# Altium PCB Copy of cam_5nd_v1.3.PcbDoc (part 2 of 2) (continued)
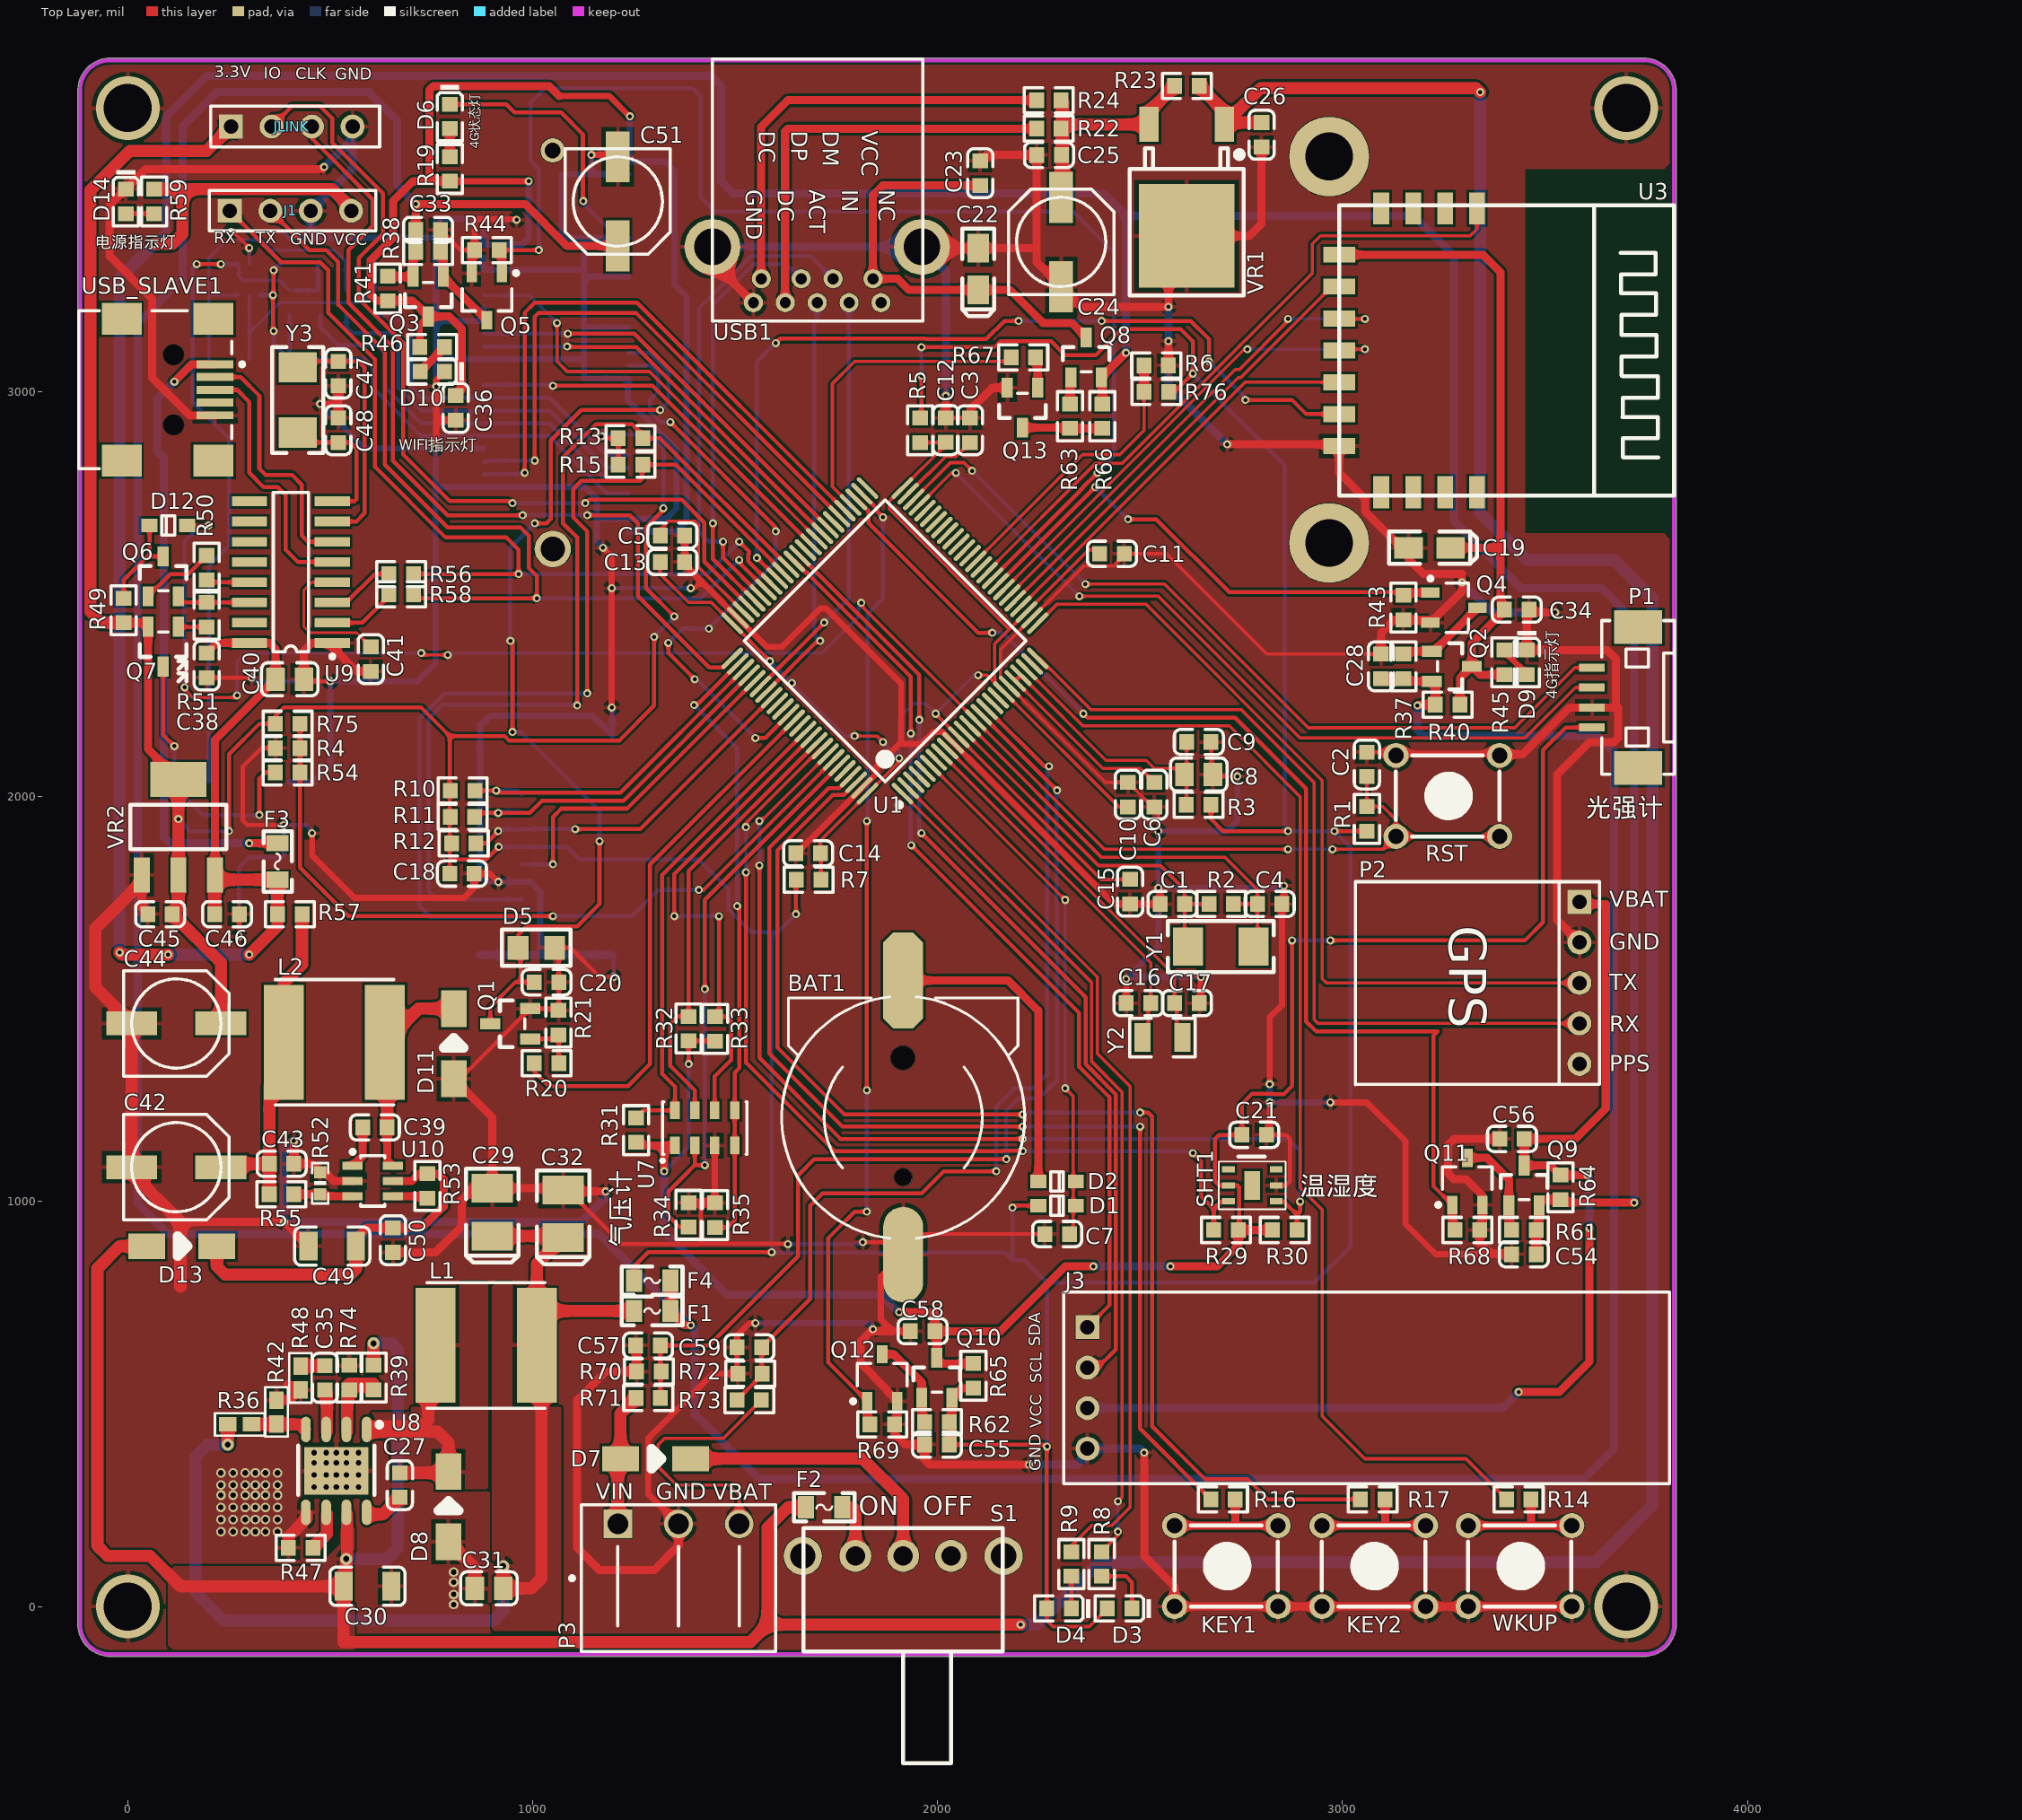
[diagram p0: Top Layer view]
## Nets (pads, with @x,y where several pads share a name; then routed paths per layer and width w, separated by ;. In a path a pad name is that pad's centre, name@x,y a point inside that pad or via, vN(x,y) a via of type N, cw(c..) or ccw(c..) an arc to the next point about the centre after c; other vN are vias at no path point) (continued)
  Top Layer w20: R38.1@771.89,3345 779.29,3337.6 Q3.1@779.29,3284.21 886.57,3176.93 Q5.3@886.89,3176.93
NetQ6_1: Q6.1 R50.1 | length 186.5
  Top Layer w10: Q6.1@50.2,2495 105.2,2550 149.37,2550 R50.1@195,2595.63
NetQ6_2: Q6.2 R51.1 U9.14 | length 181.6
  Top Layer w10: Q6.2@125,2495 140,2480 R51.1@195,2480 195.32,2479.68 U9.14@300.28,2479.68
NetQ7_1: Q7.1 R51.2 | length 70.3
  Top Layer w10: Q7.1@125,2420 125.63,2419.37 R51.2@195,2419.37
NetQ7_3: Q7.3 R54.1 | length 682.8
  Top Layer w10: Q7.3@87.6,2321.57 87.6,2152.4 v1(115,2125) ; v1(325,1955) 325,2045 340,2060 R54.1@364.69,2060
  Bottom Layer w10: v1(115,2125) 115,2025 185,1955 v1(325,1955)
NetQ8_1: Q8.1 R63.2 | length 66.9
  Top Layer w20: R63.2@2326.89,2970 2326.89,3033.19 Q8.1@2329.49,3035.79
NetQ9_1: Q9.1 Q11.3 R61.1 | length 252
  Top Layer w20: Q11.3@3308.11,1108.07 3356.93,1108.07 3410.71,1054.29 Q9.1@3410.71,990.79 3410.71,936.77 R61.1@3417.48,930
NetQ10_1: Q10.1 Q12.3 R62.1 | length 228.3
  Top Layer w20: Q12.3@1863.11,623.07 1891.93,623.07 1960.71,554.29 Q10.1@1960.71,515.79 1960.71,462.09 R62.1@1967.8,455
NetQ13_1: Q13.1 R67.2 | length 77.1
  Top Layer w20: R67.2@2241.89,3085 2246.89,3080 Q13.1@2246.89,3010
NetQ13_3: Q13.3 R63.1 R66.1 | length 198.3
  Top Layer w20: Q13.3@2209.49,2911.57 2324.69,2911.57 R63.1@2326.89,2909.37 R66.1@2406.89,2909.37
NetR14_2: R14.2 WKUP.1 | length 322.8
  Top Layer w20: WKUP.1@3310,200 3470,200 ; R14.2@3465.32,265 3465.32,204.68 3470,200 ; WKUP.1@3565.91,200 3470,200
NetR22_1: R22.1 USB1.6 | length 1047.4
  Top Layer w20: USB1.6@1623.78,3220 1623.21,3220.57 1623.21,3643.21 1630,3650 R22.1@2244.37,3650
NetR24_2: R24.2 USB1.4 | length 1082.6
  Top Layer w20: USB1.4@1564.72,3279.06 1564.41,3279.37 1564.41,3654.41 1630,3720 R24.2@2244.37,3720
NetR36_1: R36.1 R42.2 U8.4 | length 136.5
  Top Layer w30: R36.1@305.94,450 424.25,450 U8.4@437.13,437.13
NetR39_1: R39.1 R74.2 U8.2 | length 171.8
  Top Layer w30: U8.2@541.89,432.36 541.89,530 R74.2@546.89,535 ; R74.2@541.89,545 546.89,550 R39.1@606.89,550
NetR47_1: R47.1 U8.6 | length 97
  Top Layer w30: R47.1@457.2,145 491.89,179.69 U8.6@491.89,227.64
NetR50_2: R50.2 U9.13 | length 107.5
  Top Layer w10: R50.2@195,2535 200.32,2529.68 U9.13@300.28,2529.68
NetR52_1: R52.1 R55.2 U10.3 | length 147.1
  Top Layer w20: R55.2@410,1018.39 R52.1@475,1018.39 480,1013.39 U10.3@555,1013.39
NetR53_2: R53.2 U10.4 | length 87.1
  Top Layer w20: U10.4@655,1013.39 735,1013.39 R53.2@740,1008.39
O_SCL: J3.2 U1.63 | length 2372
  Top Layer w10: U1.63@1659.82,2595.18 1955,2300 v1(1955,2190) ; v1(1960,1910) 2365.47,1504.53 2365.47,1339.25 2440,1264.72 2440,635 2395,590 J3.2@2370,590
  Bottom Layer w10: v1(1955,2190) 1955,1915 v1(1960,1910)
O_SDA: J3.1 U1.64 | length 2227.4
  Top Layer w10: U1.64@1645.9,2581.26 1648.36,2581.26 1934,2295.63 v1(1934,2156) ; v1(1935,1880) 2349.47,1465.53 2349.47,1332.63 2424,1258.09 2424,744 J3.1@2370,690
  Bottom Layer w10: v1(1934,2156) 1934,1891 1935,1890
PHOTO: U1.82 USB1.7 | length 1030.5
  Top Layer w10: U1.82@1576.3,2258.33 1702.97,2385 v1(1710,2385)
  Bottom Layer w10: USB1.7@1702.52,3220 1702.2,3219.68 1702.2,3175.94 1695,3168.74 1695,2400 v1(1710,2385)
PRESET: R20.1 U1.87 | length 1340.7
  Top Layer w10: R20.1@1003.78,1341.8 1003.78,1321.22 1040,1285 1235,1285 1290,1340 1290,1832.84 U1.87@1645.9,2188.74
PRESET_P: C20.2 D5.2 Q1.3 U2.22 | length 2358.1
  Top Layer w10: Q1.3@895.35,1439.2 895.35,1480.35 956.8,1541.8 970,1541.8 ; v1(945,2385) 950,2380 v1(950,2160) ; C20.2@1003.78,1541.8 970,1541.8 ; v1(1005,2675) 1033.6,2675 1045,2686.4 1045,2880 1120,2955 v1(1315,2955) ; v1(1165,1890) 1165,1735 1110,1680 985,1680 963.78,1658.78 D5.2@963.78,1626.8 970,1620.58 970,1541.8
  Bottom Layer w10: v1(945,2385) 944,2384 944,2614 v1(1005,2675) ; v1(950,2160) 970,2160 1165,1965 v1(1165,1890) ; U2.22@1236.58,3096.02 1288.98,3096.02 1335,3050 1335,2975 v1(1315,2955)
RESET: C2.2 D12.1 R1.1 RST.2 U1.14 | length 4398.2
  Top Layer w8: v1(140,2270) 135,2270 160,2245 265,2245 v1(270,2250) ; D12.1@146.46,2670 v1(200,2670) v1@205,2670 ; v1(725,2355) 730,2350 v1(790,2350) ; v1@1807.63,2475.21 U1.14@2094.1,2188.74 2094.1,2188.29 2412.39,1870 v1(2865,1870) ; v1(2975,1870) 3100,1870 RST.2@3131.89,1901.89 ; C2.2@3060,2049.37 R1.1@3060,1975.63 3099.37,1975.63 3131.89,1943.11 RST.2@3131.89,1901.89 ; RST.2@3387.8,1901.89 RST.2@3131.89,1901.89
  Bottom Layer w8: v1(140,2270) 140,2630 180,2670 v1(200,2670) ; v1(270,2250) 270,2335 290,2355 v1(725,2355) ; v1(790,2350) 795,2355 1715,2355 1805,2445 1805,2472.57 v1(1811.21,2478.79) ; v1(2865,1870) v1(2975,1870)
RST_T: C61.1 R80.2 U5.2 U6.5 | length 581.4
  Bottom Layer w8: U5.2@300,3080 300,3145 ; U6.5@300,3238.62 300,3145 ; R80.2@610,3250.63 579.37,3220 375,3220 300,3145
  Bottom Layer w10: R80.2@610,3250.63 C61.1@610,3319.68
S_SCL: R29.1 SHT1.6 U1.92 | length 2315.6
  Top Layer w8: v1(1526.72,1925) 1521.72,1930 1710.85,2119.14 U1.92@1715.49,2119.14
  Top Layer w10: v1(1526.72,1813.28) 1526.72,1343.28 1745,1125 2160.3,1125 2161.3,1126 2209,1126 v1(2210,1125) ; v1(2630,1120) 2650,1100 2650,1013.78 2681.89,981.89 ; R29.1@2681.89,930 2681.89,981.89 ; SHT1.6@2717.83,1000.63 2700.63,1000.63 2681.89,981.89
  Bottom Layer w8: v1(1526.72,1813.28) v1(1526.72,1925)
  Bottom Layer w10: v1(2210,1125) 2630,1125 v1(2630,1120)
S_SDA: R30.2 SHT1.1 U1.93 | length 2516.2
  Top Layer w8: v1@1564.19,1940 U1.93@1729.41,2105.22
  Top Layer w10: v1(1560,1830) 1560,1355 1760,1155 v1(2210,1155) ; v1(1560,1940) v1@1564.19,1940 ; SHT1.1@2835.94,1000.63 2854.37,1000.63 2887.2,967.8 ; R30.2@2887.2,930 2887.2,967.8 ; v1(2895,1000) 2895,975.59 2887.2,967.8
  Bottom Layer w10: v1(1560,1830) v1(1560,1940) ; v1(2210,1155) 2865,1155 2895,1125 v1(2895,1000)
SDIO_CMD: J2.3 R12.1 U1.83 | length 879.1
  Top Layer w10: R12.1@860,1885 885,1885 v1(915,1915) ; v1(1105,1920) 1265.81,1920 U1.83@1590.22,2244.41
  Bottom Layer w10: v1(915,1915) 919.37,1919.37 J2.3@972.32,1919.37 972.95,1920 v1(1105,1920)
SDIO_D0: J2.7 R13.1 U1.65 | length 2415.1
  Top Layer w10: v1(1110,2225) 1110,2640 1075,2675 1075,2838.46 1156.3,2919.76 1245.82,2919.76 1271.89,2893.69 R13.1@1271.89,2885 1314.32,2885 U1.65@1631.98,2567.34
  Bottom Layer w10: J2.7@972.32,1746.14 763.86,1746.14 743.5,1766.5 743.5,2193.5 777,2227 1108,2227 v1(1110,2225)
SDIO_D1: J2.8 R15.1 U1.66 | length 2360.4
  Top Layer w10: v1(1135,2255) 1135,2655 1100,2690 1100,2760 1120,2780 1265,2780 1270,2785 1270,2818.11 R15.1@1271.89,2820 1353.34,2820 1618.06,2555.28 U1.66@1618.06,2553.43
  Bottom Layer w10: J2.8@972.32,1702.83 747.17,1702.83 720,1730 720,2192.63 782.37,2255 v1(1135,2255)
SDIO_D2: J2.1 R10.1 U1.78 | length 855.4
  Top Layer w10: R10.1@857.2,2015 v1(910,2015) ; v1@910,2010 1216.61,2010 U1.78@1520.62,2314.01
  Bottom Layer w10: v1(910,2015) 963.3,2015 J2.1@972.32,2005.98
SDIO_D3: J2.2 R11.1 U1.79 | length 881.1
  Top Layer w10: R11.1@856.89,1950 866.89,1960 v1(915,1960) 992.99,1960 1022.99,1990 1157.09,1990 1157.4,1990.31 1224.77,1990.31 U1.79@1534.54,2300.09
  Bottom Layer w10: v1(915,1960) 917.68,1962.68 J2.2@972.32,1962.68
SDIO_SCK: J2.5 U1.80 | length 832.6
  Top Layer w10: v1(1050,1832.76) 1050,1950 1070.63,1970.63 1232.92,1970.63 U1.80@1548.46,2286.17
  Bottom Layer w10: J2.5@972.32,1832.76 v1(1050,1832.76)
SWCLK: JLINK.3 U1.76 | length 2122.7
  Top Layer w8: U1.76@1470,2319.07 U1.76@1492.78,2341.85
  Top Layer w10: JLINK.3@455,3655 455,3625 605,3475 605,3410 545,3350 545,3220 655,3110 655,2830 790,2695 v1(975,2695) ; v1(1135,2695) 1240,2695 1260,2675 1260,2495 1435.93,2319.07 U1.76@1470,2319.07
  Bottom Layer w10: v1(975,2695) 976,2696 1134,2696 v1(1135,2695)
SWDIO: JLINK.2 U1.72 | length 2211
  Top Layer w10: JLINK.2@355,3655 405,3705 475,3705 505,3675 505,3615 630,3490 630,3390 570,3330 570,3230 680,3120 680,2845 795,2730 940,2730 v1@950,2720 ; v1(1130,2725) 1138.5,2733.5 1367.71,2733.5 1424,2677.21 1424,2580.45 U1.72@1534.54,2469.91
  Bottom Layer w10: v1(950,2725) v1(1130,2725)
UART_CTS: U1.58 U2.25 | length 1586.8
  Top Layer w8: 1349.65,3045 1729.41,2665.23 U1.58@1729.41,2664.78
  Top Layer w10: v1(1086.73,3143.27) 1250.93,3143.27 U1.58@1729.41,2664.78
  Bottom Layer w10: U2.25@878.31,3143.27 v1(1086.73,3143.27)
UART_DTR: U1.60 U2.31 | length 1127.8
  Top Layer w8: v1(1060,3170) 1060,3075 1085,3050 1288.52,3050 U1.60@1701.57,2636.94
  Bottom Layer w8: U2.31@878.31,3237.76 992.24,3237.76 v1(1060,3170)
UART_RI: U1.61 U2.17 | length 972.7
  Top Layer w10: v1(1050,3015) 1295.68,3015 U1.61@1687.66,2623.02
  Bottom Layer w10: U2.17@878.31,3017.28 1047.72,3017.28 v1(1050,3015)
UART_RTS: U1.59 U2.23 | length 1028.1
  Top Layer w10: v1(1085,3111.77) 1086.09,3110.68 1255.68,3110.68 U1.59@1715.49,2650.86
  Bottom Layer w10: U2.23@878.31,3111.77 v1(1085,3111.77)
UART_RXD: U1.56 U2.13 | length 1449.6
  Top Layer w10: v1(1005,2830) 1005,3185 1015,3195 1254.87,3195 U1.56@1757.25,2692.62
  Bottom Layer w10: U2.13@878.31,2828.31 881.62,2825 886.62,2830 v1(1005,2830)
UART_TXD: U1.55 U2.11 | length 1514.8
  Top Layer w10: v1(980,2800) 980,3195 1005,3220 1257.71,3220 U1.55@1771.17,2706.54
  Bottom Layer w10: U2.11@880.12,2795 U2.11@878.31,2796.81 976.81,2796.81 v1(980,2800)
USB_DM: U1.70 USB1.2 | length 1199.8
  Top Layer w10: v1(1470,2630) 1470.13,2629.87 1470.13,2590 U1.70@1562.38,2497.75
  Bottom Layer w10: v1(1470,2630) 1435,2630 1410,2655 1410,3205 1540,3335 1685.94,3335 USB1.2@1741.89,3279.06
USB_DP: U1.71 USB1.3 | length 1048.5
  Top Layer w10: v1(1445,2675) 1445,2587.29 U1.71@1548.46,2483.83
  Bottom Layer w10: v1(1445,2675) 1445,3215 1545,3315 1627.2,3315 USB1.3@1663.15,3279.06
USIM_CLK: R78.1 U2.12 | length 938.7
  Bottom Layer w10: R78.1@540,3190 540,3160 555,3145 650,3145 668.5,3126.5 668.5,3010 725,2953.5 1041.42,2953.5 1182.36,2812.56 U2.12@1236.58,2812.56
USIM_DATA: R79.2 U2.10 | length 997.7
  Bottom Layer w10: R79.2@475,3189.37 475,3160 520,3115 617.01,3115 637.01,3095 637.01,3010 725,2922.01 1041.42,2922.01 1182.36,2781.06 U2.10@1236.58,2781.06
USIM_RST: R80.1 U2.14 | length 851.9
  Bottom Layer w10: R80.1@610,3190 660,3190 700,3150 700,3010 725,2985 1041.42,2985 1182.36,2844.06 U2.14@1236.58,2844.06
USIM_VDD: C62.1 R77.2 U2.8 U5.1 U6.4 | length 1431.3
  Top Layer w10: v1(360,3150) 358.62,3151.38 v1(358.62,3238.62) 360,3240 v1(360,3300)
  Bottom Layer w10: U6.4@325.59,3238.62 v1(358.62,3238.62) ; v1(360,3150) 360,3120 U5.1@400,3080 ; v1(360,3300) 379.69,3319.68 C62.1@400,3319.68 ; R77.2@400,3189.68 U5.1@400,3080 ; U2.8@1236.58,2749.57 1182.36,2749.57 1041.42,2890.51 725,2890.51 605.51,3010 605.51,3060 605,3060 585,3080 U5.1@400,3080
V_Li: P3.3 R73.2 | length 655.7
  Top Layer w8: P3.3@1510,203.86 1510,275 1485,300 1355,300 1310,345 1310,400 1325,415 1470,415 R73.2@1565,510
VBAT: C7.1 D1.2 D2.2 U1.6 | length 1307.3
  Top Layer w8: U1.6@1982.75,2077.38 v1(2315,1745.13) ; v1(2315,1280) 2335,1260 2335,929.69 C7.1@2325.31,920
  Bottom Layer w8: v1(2315,1280) v1(2315,1745.13)
VBTN: C42.1 C43.2 L2.1 R55.1 R57.1 | length 848.3
  Top Layer w20: L2.1@349.69,1285 349.69,1358.07 L2.1@385,1393.39
  Top Layer w30: C42.1@230,1085 238.39,1093.39 C43.2@349.69,1093.39 ; R55.1@349.37,1018.39 349.69,1018.7 C43.2@349.69,1093.39 ; L2.1@349.69,1285 C43.2@349.69,1093.39 ; L2.1@385,1393.39 385,1540 430.31,1585.31 R57.1@430.31,1710
VCC3.3: C18.2 C44.1 C45.2 C55.2 D1.1 D3.A D4.A F4.1 J2.4 JLINK.1 Q7.2 Q10.2 R1.2 R3.1 R5.1 R7.1 R10.2 R11.2 R12.2 R13.2 R15.2 R49.2 R62.2 R65.2 R75.1 R76.1 VR2.2 | length 14669.7
  Top Layer w8: C18.2@795,1810 795,1850 R10.2@795,2013.43 ; v1(1322.5,2712.5) v1@1325,2710 ; D4.A@2269.68,-5 2269.68,-34.68 2284.64,-49.64 2374.73,-49.64 D3.A@2419.37,-5
  Top Layer w10: v1(250,1915) 250,2105 325,2180 R75.1@364.69,2180 364.69,2199.69 385,2220 725,2220 795,2150 ; 795,1850 800,1845 885,1845 v1(916.06,1876.06) ; R10.2@795,2013.43 795,2150 ; v1(1170,2890) 1175,2885 R13.2@1211.26,2885 R15.2@1211.26,2820 ; F4.1@1250,805 1250,840 1285,875 v1(1590,875) ; v1(1300,2395) 1300,2225 1214,2139 941.3,2139 930.3,2150 795,2150 ; v1@1325,2710 1280,2665 1280,2515 v1(1350,2445) ; v1(1650,1710) 1650,1793.74 R7.1@1651.26,1795 ; R5.1@1956.89,2935.32 1960,2938.43 v1(1960,3040) ; v1(1960,3110) 2140,3110 2155,3125 2280,3125 2315,3090 2390,3090 2455,3155 2600,3155 2630,3125 v1(2630,3045) 2585,3000 R76.1@2570.31,3000 ; C55.2@2028.43,400 2265,400 v1(2270,395) 2269.68,394.68 D4.A@2269.68,-5 ; v1(2185,985) 2190,990 D1.1@2248.54,990 ; R3.1@2675,1980 2675,1945 2705,1915 v1(2865,1915) ; v1(2980,1915) R1.2@3060,1915
  Top Layer w20: R49.2@-10,2429.68 40.51,2429.68 Q7.2@50.2,2420 50.2,2117.91 VR2.2@125,2043.11 ; C55.2@2028.43,400 2035.51,407.09 Q10.2@2035.51,515.79 2059.09,539.37 R65.2@2088.11,539.37
  Top Layer w30: R49.2@-10,2429.68 -64.68,2429.68 -92.11,2457.11 -92.11,3497.89 5,3595 195,3595 JLINK.1@255,3655 ; VR2.2@125,2043.11 v1(125,1945) VR2.2@125,1806.89 125,1725 C45.2@110,1710 230,1590 C44.1@230,1440
  Bottom Layer w10: v1(125,1945) 155,1915 v1(250,1915) ; v1(916.06,1876.06) J2.4@972.32,1876.06 1083.94,1876.06 1115,1845 1410,1845 1484,1771 1484,1721.3 1540.3,1665 1590,1665 ; v1(1170,2890) 1174.43,2894.43 1290.34,2894.43 1322.5,2862.27 v1(1322.5,2712.5) ; v1(1300,2395) v1(1350,2445) ; v1(1650,1710) 1605,1665 1590,1665 ; v1(1960,3040) v1(1960,3110) ; v1(2185,985) 2185,855 ; v1(2270,395) 2270,800 ; v1(2630,3045) 2857.46,2817.54 2857.46,1922.54 v1(2865,1915) v1(2980,1915) 3020,1875 3020,890 2930,800 2270,800 ; 1590,1665 v1(1590,875) 1591,874 2166,874 2185,855 ; 2185,855 2215,855 2270,800
VCC3.3M: C10.1 C11.1 C12.1 C13.1 C14.1 C15.1 R5.2 R7.2 U1.11 U1.19 U1.28 U1.50 U1.75 U1.100 | length 3867.7
  Top Layer w8: C13.1@1314.69,2580 1314.69,2550.32 1385,2480 1440.93,2480 U1.75@1492.78,2428.15 v1(1585.93,2335) v1@1590,2330.93 ; R7.2@1711.89,1795 1711.89,1858.43 C14.1@1710.31,1860 1710.31,1891.25 U1.100@1826.85,2007.78 1905,2085.93 v1(1905,2095) ; v1(1795,2150) 1850,2150 v1(1865,2135) ; R5.2@1956.89,2874.69 2019.69,2874.69 C12.1@2020,2875 2020,2869.07 U1.50@1913.15,2762.22 1880,2729.07 1880,2710 2175,2415 2175,2411.61 ; v1(1995,2205) 1995,2204.32 U1.11@2052.34,2146.98 2403.69,1795.63 C15.1@2475,1795.63 ; v1(2100,2300) 2122.03,2300 U1.19@2140.87,2281.16 ; C11.1@2399.69,2610 2373.39,2610 U1.28@2219.38,2455.99 2175,2411.61 ; C10.1@2470,1975 2447.03,1975 U1.19@2163.7,2258.33 U1.19@2140.87,2281.16 ; U1.19@2140.87,2281.16 2140.87,2377.48 2175,2411.61
  Bottom Layer w8: v1(1585.93,2335) v1(1640,2280.93) 1770.93,2150 v1(1795,2150) ; v1(1865,2135) v1(1905,2095) 1905,2195 1940,2230 1970,2230 v1(1995,2205) 2090,2300 v1(2100,2300)
VCC3.3TP: C28.2 C33.2 C51.1 F1.2 F4.2 Q2.2 Q3.2 R37.2 R38.2 R40.2 R41.2 | length 11055.3
  Top Layer w20: R41.2@641.89,3285.32 642.99,3284.21 Q3.2@704.49,3284.21 704.49,3393.23 C33.2@711.26,3400 v1(711.26,3463.74) 981.26,3463.74 1085,3360 C51.1@1210,3360 ; F4.2@1340,805 F1.2@1340,730 1375,695 v1(1390,695) ; C28.2@3095,2291.57 3102.09,2284.49 Q2.2@3220.79,2284.49 3229.37,2275.91 R40.2@3229.37,2226.89 3186.89,2226.89 v1(3185,2225)
  Bottom Layer w20: v1(711.26,3463.74) 665,3510 665,3670 595,3740 220,3740 135,3655 135,3280 25,3170 25,995 100,920 1165,920 v1(1390,695) 1400,685 1400,475 1560,315 3595,315 3670,390 3670,2110 3630,2150 3200,2150 3185,2165 v1(3185,2225)
VCC5: C38.2 C40.2 C46.2 C54.2 F3.2 J1.4 Q8.2 Q9.2 R57.2 R59.1 R61.2 R64.2 R66.2 U9.16 VR2.3 | length 11456.2
  Top Layer w20: C38.2@195,2354.68 220,2379.68 U9.16@300.28,2379.68 350.32,2379.68 364.96,2365.04 C40.2@364.96,2290 215.55,2140.59 VR2.3@215.55,1806.89 ; J1.4@551.89,3446.89 J1.4@551.89,3453.11 ; R66.2@2406.89,2970 2406.89,3033.19 Q8.2@2404.29,3035.79 v1(2465,3096.5) ; C54.2@3478.11,870 R61.2@3478.11,930 3485.51,937.4 Q9.2@3485.51,990.79 3499.41,1004.68 R64.2@3538.11,1004.68 3545.29,997.5 v1(3720,997.5)
  Top Layer w30: v1(-20,1615) -15,1610 v1(100,1610) ; v1(65,3365) 110,3365 135,3390 135,3500.63 ; R59.1@65,3500.63 135,3500.63 ; C46.2@214.68,1710 214.68,1806.02 VR2.3@215.55,1806.89 227.44,1795 F3.2@370,1795 369.68,1794.68 R57.2@369.68,1710 369.68,1679.68 v1(300,1610) ; J1.4@551.89,3453.11 504.37,3500.63 135,3500.63
  Bottom Layer w20: v1(65,3365) 95,3395 95,3680 195,3780 1440,3780 1465,3755 1465,3520 1495,3490 2410,3490 2465,3435 ; v1(2465,3096.5) 2465,3435 ; v1(3720,997.5) 3720,2435 3640,2515 3440,2515 3275,2680 3275,3335 3175,3435 2465,3435
  Bottom Layer w30: v1(-20,1615) -20,3280 v1(65,3365) ; v1(100,1610) v1(300,1610)
VCC_4G: C36.2 Q3.3 R19.2 R41.1 R46.1 U2.2 U2.39 U2.41 U2.52 | length 3442.2
  Top Layer w15: R46.1@721.26,3110 721.26,3165.16 Q3.3@741.89,3185.79 ; R19.2@795,3520 v1(990,3520) ; 1065,3730.63 1188.9,3730.63 1239.53,3680 v1(1240,3680)
  Top Layer w20: R19.2@795,3520 760,3520 ; C36.2@810,2990.63 825,3005.63 825,3155 794.21,3185.79 Q3.3@741.89,3185.79 702.99,3224.69 R41.1@641.89,3224.69 615.31,3224.69 600,3240 600,3325 655,3380 655,3470 705,3520 760,3520 ; 1065,3730.63 1040.63,3755 755,3755 745,3745 745,3535 760,3520
  Bottom Layer w15: U2.41@878.31,3395.24 U2.39@878.31,3363.74 973.74,3363.74 990,3380 v1(990,3520) ; U2.2@1236.58,2655.08 1355.08,2655.08 1380,2680 1380,3235 1350,3265 1350,3545 1326.53,3568.47 U2.52@1236.58,3568.47 1240,3571.89 v1(1240,3680)
VCC_DVC: C21.1 C58.2 P1.1 Q10.3 R29.2 R30.1 R31.2 R32.2 R33.2 R65.1 SHT1.5 U7.1 | length 4781.7
  Top Layer w10: U7.1@1351.18,1142.4 U7.1@1355,1142.4 ; v1(1385,1340) R32.2@1385,1396.89 1449.37,1396.89 R33.2@1450,1396.26 ; R29.2@2742.52,930 2744.58,930 2744.58,1035.42 2740,1040 SHT1.5@2717.83,1040 2695,1040 2685,1050 2685,1155 2695,1165 C21.1@2751.26,1165 2751.26,1241.26 2776,1266 2828.7,1266 2829.7,1265 2855,1265 2875,1285 v1(2875,1645) ; v1(2970,1645) 3450,1645 3495,1690 3495,2115 3551.18,2171.18 P1.1@3615.83,2171.18
  Top Layer w20: R31.2@1255,1146.26 1262.68,1138.58 1325,1138.58 ; v1(1325,1075) 1325,1138.58 ; U7.1@1351.18,1138.58 1325,1138.58 ; v1(1905,726.89) 1993.11,726.89 C58.2@1993.11,680 ; R65.1@2088.11,600 2012.32,600 Q10.3@1998.11,614.21 1998.11,675 C58.2@1993.11,680 ; v1(2385,840) 2315,840 2155,680 C58.2@1993.11,680 ; v1(2575,840) 2690,840 2742.52,892.52 R29.2@2742.52,930 ; R29.2@2744.58,930 R30.1@2826.57,930
  Bottom Layer w10: v1(1325,1075) 1385,1135 v1(1385,1340) ; v1(2875,1645) v1(2970,1645)
  Bottom Layer w20: v1(1325,1075) 1325,925 1480,770 1861.89,770 v1(1905,726.89) ; v1(2385,840) v1(2575,840)
VCC_GPS: C56.2 J3.3 P2.1 Q9.3 R64.1 | length 2787.1
  Top Layer w20: v1(3435,530) 3535,530 3610,605 v1(3610,935) ; P2.1@3585,1740 3590,1735 3650,1735 3650,1230 3575,1155 C56.2@3448.74,1155 3448.74,1089.84 Q9.3@3448.11,1089.21 3514.21,1089.21 R64.1@3538.11,1065.31 v1(3604.69,1065.31)
  Bottom Layer w20: J3.3@2370,490 3395,490 v1(3435,530) ; v1(3604.69,1065.31) 3610,1060 v1(3610,935)
VCC_USB: C22.1 C23.1 Q8.3 USB1.1 | length 1077.8
  Top Layer w20: C22.1@2099.58,3228.84 2122.59,3251.85 2178.15,3251.85 2260,3170 2331.1,3170 Q8.3@2366.89,3134.21 ; C22.1@2100,3251.85 1928.15,3251.85 1900.94,3279.06 USB1.1@1840.32,3279.06 1840,3279.37 1840,3485 1864.69,3509.68 C23.1@2105,3509.68
VCC_WIFI: C19.1 C34.2 Q2.3 R40.1 R45.1 U3.1 | length 1747
  Top Layer w20: U3.1@2991.34,3338.5 3346.5,3338.5 3390,3295 3390,2615 ; C19.1@3266.57,2615 3390,2615 ; R40.1@3290,2226.89 3290,2292.68 Q2.3@3319.21,2321.89 ; R45.1@3400,2301.26 3339.84,2301.26 Q2.3@3319.21,2321.89 ; Q2.3@3319.21,2321.89 3319.21,2379.21 3399.69,2459.68 C34.2@3399.69,2461.89 3390,2471.57 3390,2615
VDDA: C6.2 C8.2 C9.2 R3.2 U1.21 U1.22 | length 1127.8
  Top Layer w8: C6.2@2535,2035.63 2500.63,2070 2407.71,2070 U1.21@2191.54,2286.17 U1.22@2205.46,2300.09 2415.55,2090 2515,2090 2535,2070 2594.69,2070 C8.2@2609.69,2055 ; R3.2@2614.37,1980 2614.69,1980.32 C9.2@2614.69,2135
VIN: C26.2 C30.2 D13.1 F2.2 R23.1 R39.2 U8.7 VR1.1 | length 10929.2
  Top Layer w30: D13.1@46.77,890 -20,890 -75,835 -75,150 -50,125 55,125 130,50 C30.2@533.23,50 533.23,-87.7 1537.3,-87.7 1580,-45 ; C30.2@539.57,50 v3(539.57,117.68) ; v3@541.89,117.68 U8.7@541.89,227.64 ; R39.2@606.89,610.63 v3(606.89,650) ; F2.2@1675,245 1630,245 1580,195 1580,-45 ; v1(2205,-45) 1580,-45 ; R23.1@2645.63,3755 2707.96,3692.67 VR1.1@2707.96,3660.59 VR1.1@2712.37,3665 ; C26.2@2800,3665 VR1.1@2712.37,3665 ; v1(3340,3740) 3330,3750 2797.37,3750 VR1.1@2712.37,3665
  Bottom Layer w30: v3(539.57,117.68) 639.57,117.68 666.89,145 666.89,635 651.89,650 v3(606.89,650) ; v1(2205,-45) 2245,-45 2400,110 3625,110 3765,250 3765,2490 3670,2585 3455,2585 3340,2700 v1(3340,3740)
VIN_C: C24.1 C25.2 R22.2 R23.2 R24.1 VR1.3 | length 586.2
  Top Layer w30: C24.1@2305,3480 2310,3485 R22.2@2310,3655 ; R22.2@2305,3650 R22.2@2310,3655 ; R24.1@2305,3720 2310,3715 R22.2@2310,3655 ; R23.2@2585,3755 2522.04,3692.04 VR1.3@2522.04,3660.43 2315.43,3660.43 R22.2@2310,3655
VINT: D7.1 P3.1 R71.2 | length 329.8
  Top Layer w30: P3.1@1210,203.86 1210,358.23 D7.1@1216.77,365 1216.77,476.77 R71.2@1255,515
VUSB: F3.1 USB_SLAVE1.1 | length 1554.6
  Top Layer w20: v1(115,3025) 157.8,3067.8 USB_SLAVE1.1@215.47,3067.8 ; v1(300,1885) F3.1@370,1885
  Bottom Layer w20: v1(115,3025) 72.11,2982.11 72.11,2852.99 89,2836.1 89,1901 105,1885 v1(300,1885)
W_DISABLE: U1.86 U2.20 | length 1471.3
  Top Layer w10: v1(1335,2380) 1335,2355 v1(1400,2290) ; v1(1340,2925) 1600,2665 v1(1600,2655) ; v1(1550,2145) 1574.32,2145 U1.86@1631.98,2202.66
  Bottom Layer w10: U2.20@1236.58,3064.53 1290.47,3064.53 1310,3045 1310,3000 1290,2980 1290,2950.3 1315.3,2925 v1(1340,2925) ; v1(1335,2380) 1370,2415 v1(1435,2415) 1600,2580 v1(1600,2655) ; 1410,2285 v1(1550,2145) v1@1545,2145
W_EN: U1.35 U3.12 | length 1655.9
  Top Layer w8: U1.35@2121.94,2553.43 2121.94,2555.23 2389.68,2822.97 2455.2,2822.97 2745,3112.77 2745,3113.28 2756.72,3125 2757.23,3125 2925,3292.77 2925,3365 2945,3385 3315,3385 3331.89,3401.89 U3.12@3331.89,3452.68
W_MISO: U1.31 U3.3 | length 1227
  Top Layer w8: U1.31@2177.62,2497.75 2734.87,3055 2745,3055 2865,3175 v1(2865,3180) ; U3.3@2991.34,3181.02 2992.36,3180 v1(3055,3180)
  Bottom Layer w8: v1(2865,3180) v1(3055,3180)
W_MOSI: U1.32 U3.4 | length 1208.3
  Top Layer w8: U1.32@2163.7,2511.67 2164.15,2511.67 2409.19,2756.72 2409.19,2757.16 2757.03,3105 v1(2765,3105) 2765,3107.03 v1@2762.03,3110 ; U3.4@2991.34,3102.28 2994.06,3105 v1(3055,3105)
  Bottom Layer w8: v1(2765,3105) v1(3055,3105)
W_nCS: U1.29 U3.5 | length 1015.2
  Top Layer w8: U1.29@2205.46,2469.91 2759.09,3023.54 U3.5@2991.34,3023.54
W_nRST: U1.67 U3.6 | length 2166.1
  Top Layer w10: v1(1553.64,2590) U1.67@1604.14,2539.51 ; v1(1600,3120) 1611,3131 1968.7,3131 1969.7,3130 2120,3130 2165,3175 v1(2200,3175) ; v1(2405,3175) 2625,3175 2670,3130 v1(2670,3075) ; v1(2760,2980) 2875,2980 2910.2,2944.8 U3.6@2991.34,2944.8
  Bottom Layer w10: v1(1553.64,2590) 1553.64,3073.64 v1(1600,3120) ; v1(2200,3175) v1(2405,3175) ; v1(2670,3075) 2760,2985 v1(2760,2980)
W_SCLK: U1.30 U3.2 | length 1121.2
  Top Layer w8: U1.30@2191.54,2483.83 2742.6,3034.89 2748.5,3034.89 2973.38,3259.76 U3.2@2991.34,3259.76
pads on no net: BAT1.0 P1.0 P2.5 S1.0 S1.1 SHT1.3 SHT1.4 SHT1.8 U1.3 U1.4 U1.5 U1.7 U1.17 U1.18 U1.24 U1.36 U1.38 U1.39 U1.40 U1.41 U1.42 U1.43 U1.44 U1.45 U1.46 U1.51 U1.57 U1.62 U1.84 U1.85 U1.88 U1.96 U2.0 U2.1 U2.3 U2.5 U2.6 U2.7 U2.16 U2.19 U2.24 U2.28 U2.30 U2.32 U2.33 U2.36 U2.38 U2.44 U2.45 U2.46 U2.47 U2.48 U2.49 U2.51 U2.53 U2.54 U2.55 U2.56 U3.8 U3.9 U3.10 U3.11 U3.13 U3.14 U3.15 U5.5 U6.3 U9.9 U9.10 U9.11 U9.12 U9.15 USB1.9 USB_SLAVE1.4 USB_SLAVE1.6 USB_SLAVE1.7 USB_SLAVE1.8 USB_SLAVE1.9 USB_SLAVE1.MH1 USB_SLAVE1.MH2

## Polygon pours and split planes (outlines as drawn)
GND on Top Layer "GND_L01_P058" (solid, pour order 58): -118.11,3776.89 -76.1,3818.9 3776.1,3818.9 3818.9,3776.1 3818.9,3575 3793.9,3550 3450,3550 3450,2650 3793.9,2650 3820,2623.9 3820,-70 3771.89,-118.11 -43.11,-118.11 -46.22,-115 -80,-115 -118.11,-76.89
NetC29_1 on Top Layer "NETC29_1_L01_P044" (solid, pour order 44): 905,-60 900,-55 900,790 910,800 1065,800 1070,795 1070,-55 1065,-60
NetC27_2 on Top Layer "NETC27_2_L01_P038" (solid, pour order 38): 700,800 700,480 590,480 580,470 580,415 640,415 650,405 650,315 745,315 755,305 755,290 885,290 890,295 890,795 885,800
GND on Top Layer "GND_L01_P030" (solid, pour order 30): 525,575 570,575 570,675 590,695 670,695 685,710 685,795 680,800 0,800 -30,770 -30,185 -5,160 80,160 120,120 410,120 415,125 415,170 455,210 455,275 595,275 595,395 300,395 300,390 275,365 185,365 185,485 190,490 450,490 450,555 445,560 390,560 385,565 385,635 395,645 400,640 525,640
GND on Top Layer "GND_L01_P028" (solid, pour order 28): 885,205 865,225 700,225 665,190 595,190 595,-40 615,-60 875,-60 885,-50
VIN on Top Layer "VIN_L01_P016" (solid, pour order 16): 525,155 470,100 115,100 100,85 100,-95 115,-110 560,-110 560,230 555,235 525,235
GND on Bottom Layer "GND_L02_P060" (solid, pour order 60): -118.11,3695 -115,3698.11 -115,3775 -70,3820 -68.9,3818.9 3771.1,3818.9 3820,3770 3820,3566.1 3803.9,3550 3450,3550 3450,2650 3795,2650 3810,2635 3810,-55 3815,-60 3815,-75 3775,-115 -40,-115 -43.11,-118.11 -46.22,-115 -75,-115 -118.11,-71.89
GND on Bottom Layer "GND_L02_P046" (solid, pour order 46): 110,-105 100,-95 100,140 80,160 0,160 -30,190 -30,770 0,800 1055,800 1070,785 1070,-55 1065,-60 560,-60 560,-105

## Keep-outs
Keep-Out Layer:
  lines w10: -118.11,3743.9 cw(c-43.11,3743.9) -43.11,3818.9 3743.9,3818.9 cw(c3743.9,3743.9) 3818.9,3743.9 ; -118.11,3746.89 -118.11,-43.11 ccw(c-43.11,-43.11) -43.11,-118.11 3743.9,-118.11 ccw(c3743.9,-43.11) 3818.9,-43.11 3818.9,3746.89

## Silkscreen, mask and mechanical layers (free items; w line width, h text height)
Top Overlay:
  lines w10: 125,2285 145,2305 ; 125,2305 145,2305 ; 125,2315 145,2335 ; 125,2335 145,2335 ; 145,2285 145,2305 ; 145,2315 145,2335
  text "4G状态灯" at 875,3600 h40 r90
  text "电源指示灯" at -80,3345 h50
  text "WIFI指示灯" at 670,2845 h50
  text "4G指示灯" at 3540,2240 h50 r90
  text "光强计" at 3600,1935 h80
  text "温湿度" at 2895,1000 h80
  text "气压计" at 1255,885 h80 r90
  text "ON   OFF" at 1805,210 h80
Bottom Overlay:
  text "陆生脊椎动物设备 V3.1" at 980,530 h100
  text "2018年9月" at 980,440 h100

## Text inside footprints (layer, text, board x,y; h text height)
J1: Top Overlay "GND" at 400.89,3352.89 h50; Top Overlay "TX" at 315.89,3355.89 h50; Top Overlay "RX" at 212.89,3356.89 h50; Top Overlay "VCC" at 508.89,3351.89 h50
J2: Mechanical 8 "10" at 869.95,1625.33 h20 r90; Mechanical 8 "12" at 1196.73,1625.33 h20 r90; Mechanical 8 "9" at 869.95,2158.67 h20 r90; Mechanical 8 "11" at 1196.73,2166.67 h20 r90; Mechanical 8 "6" at 972.32,1797.45 h20 r90; Mechanical 8 "4" at 972.32,1884.06 h20 r90; Mechanical 8 "2" at 972.32,1970.68 h20 r90; Mechanical 8 "1" at 972.32,2013.98 h20 r90; Mechanical 8 "8" at 972.32,1710.83 h20 r90; Mechanical 8 "7" at 972.32,1754.14 h20 r90; Mechanical 8 "5" at 972.32,1840.76 h20 r90; Mechanical 8 "3" at 972.32,1927.37 h20 r90; Bottom Overlay "8" at 933.6,1710.71 h20 r90; Bottom Overlay "1" at 933.6,2013.86 h20 r90
J3: Top Overlay "VCC" at 2267,441 h50 r90; Top Overlay "SDA" at 2264,643 h50 r90; Top Overlay "SCL" at 2267,552 h50 r90; Top Overlay "GND" at 2265,335 h50 r90
JLINK: Top Overlay "3.3V" at 214,3766 h50; Top Overlay "IO" at 335,3763 h50; Top Overlay "CLK" at 414,3762 h50; Top Overlay "GND" at 512,3761 h50
P2: Top Overlay "GPS" at 3232,1682 h157.48 r270; Top Overlay "VBAT" at 3659,1727 h39.37; Top Overlay "GND" at 3659,1622 h39.37; Top Overlay "TX" at 3659,1522 h39.37; Top Overlay "RX" at 3659,1419 h39.37; Top Overlay "PPS" at 3659,1322 h39.37
P3: Top Overlay "VBAT" at 1445,264 h39.37; Top Overlay "GND" at 1304,265 h39.37; Top Overlay "VIN" at 1156,265 h39.37; Mechanical 8 "1" at 1210,193.86 h25; Mechanical 8 "2" at 1360,193.86 h25; Mechanical 8 "3" at 1510,193.86 h25
U2: Bottom Overlay "1" at 894.79,2596.03 h60 r90
USB1: Top Overlay "DC" at 1559.18,3644.8 h39.37 r270; Top Overlay "DP" at 1638.18,3644.8 h39.37 r270; Top Overlay "DM" at 1716.18,3644.8 h39.37 r270; Top Overlay "VCC" at 1812.18,3644.8 h39.37 r270; Top Overlay "GND" at 1527.18,3499.8 h39.37 r270; Top Overlay "DC" at 1605.18,3499.8 h39.37 r270; Top Overlay "ACT" at 1683.18,3499.8 h39.37 r270; Top Overlay "IN" at 1764.18,3499.8 h39.37 r270; Top Overlay "NC" at 1855.18,3499.8 h39.37 r270